# KiCad board oresat-batteries.kicad_pcb (continued)
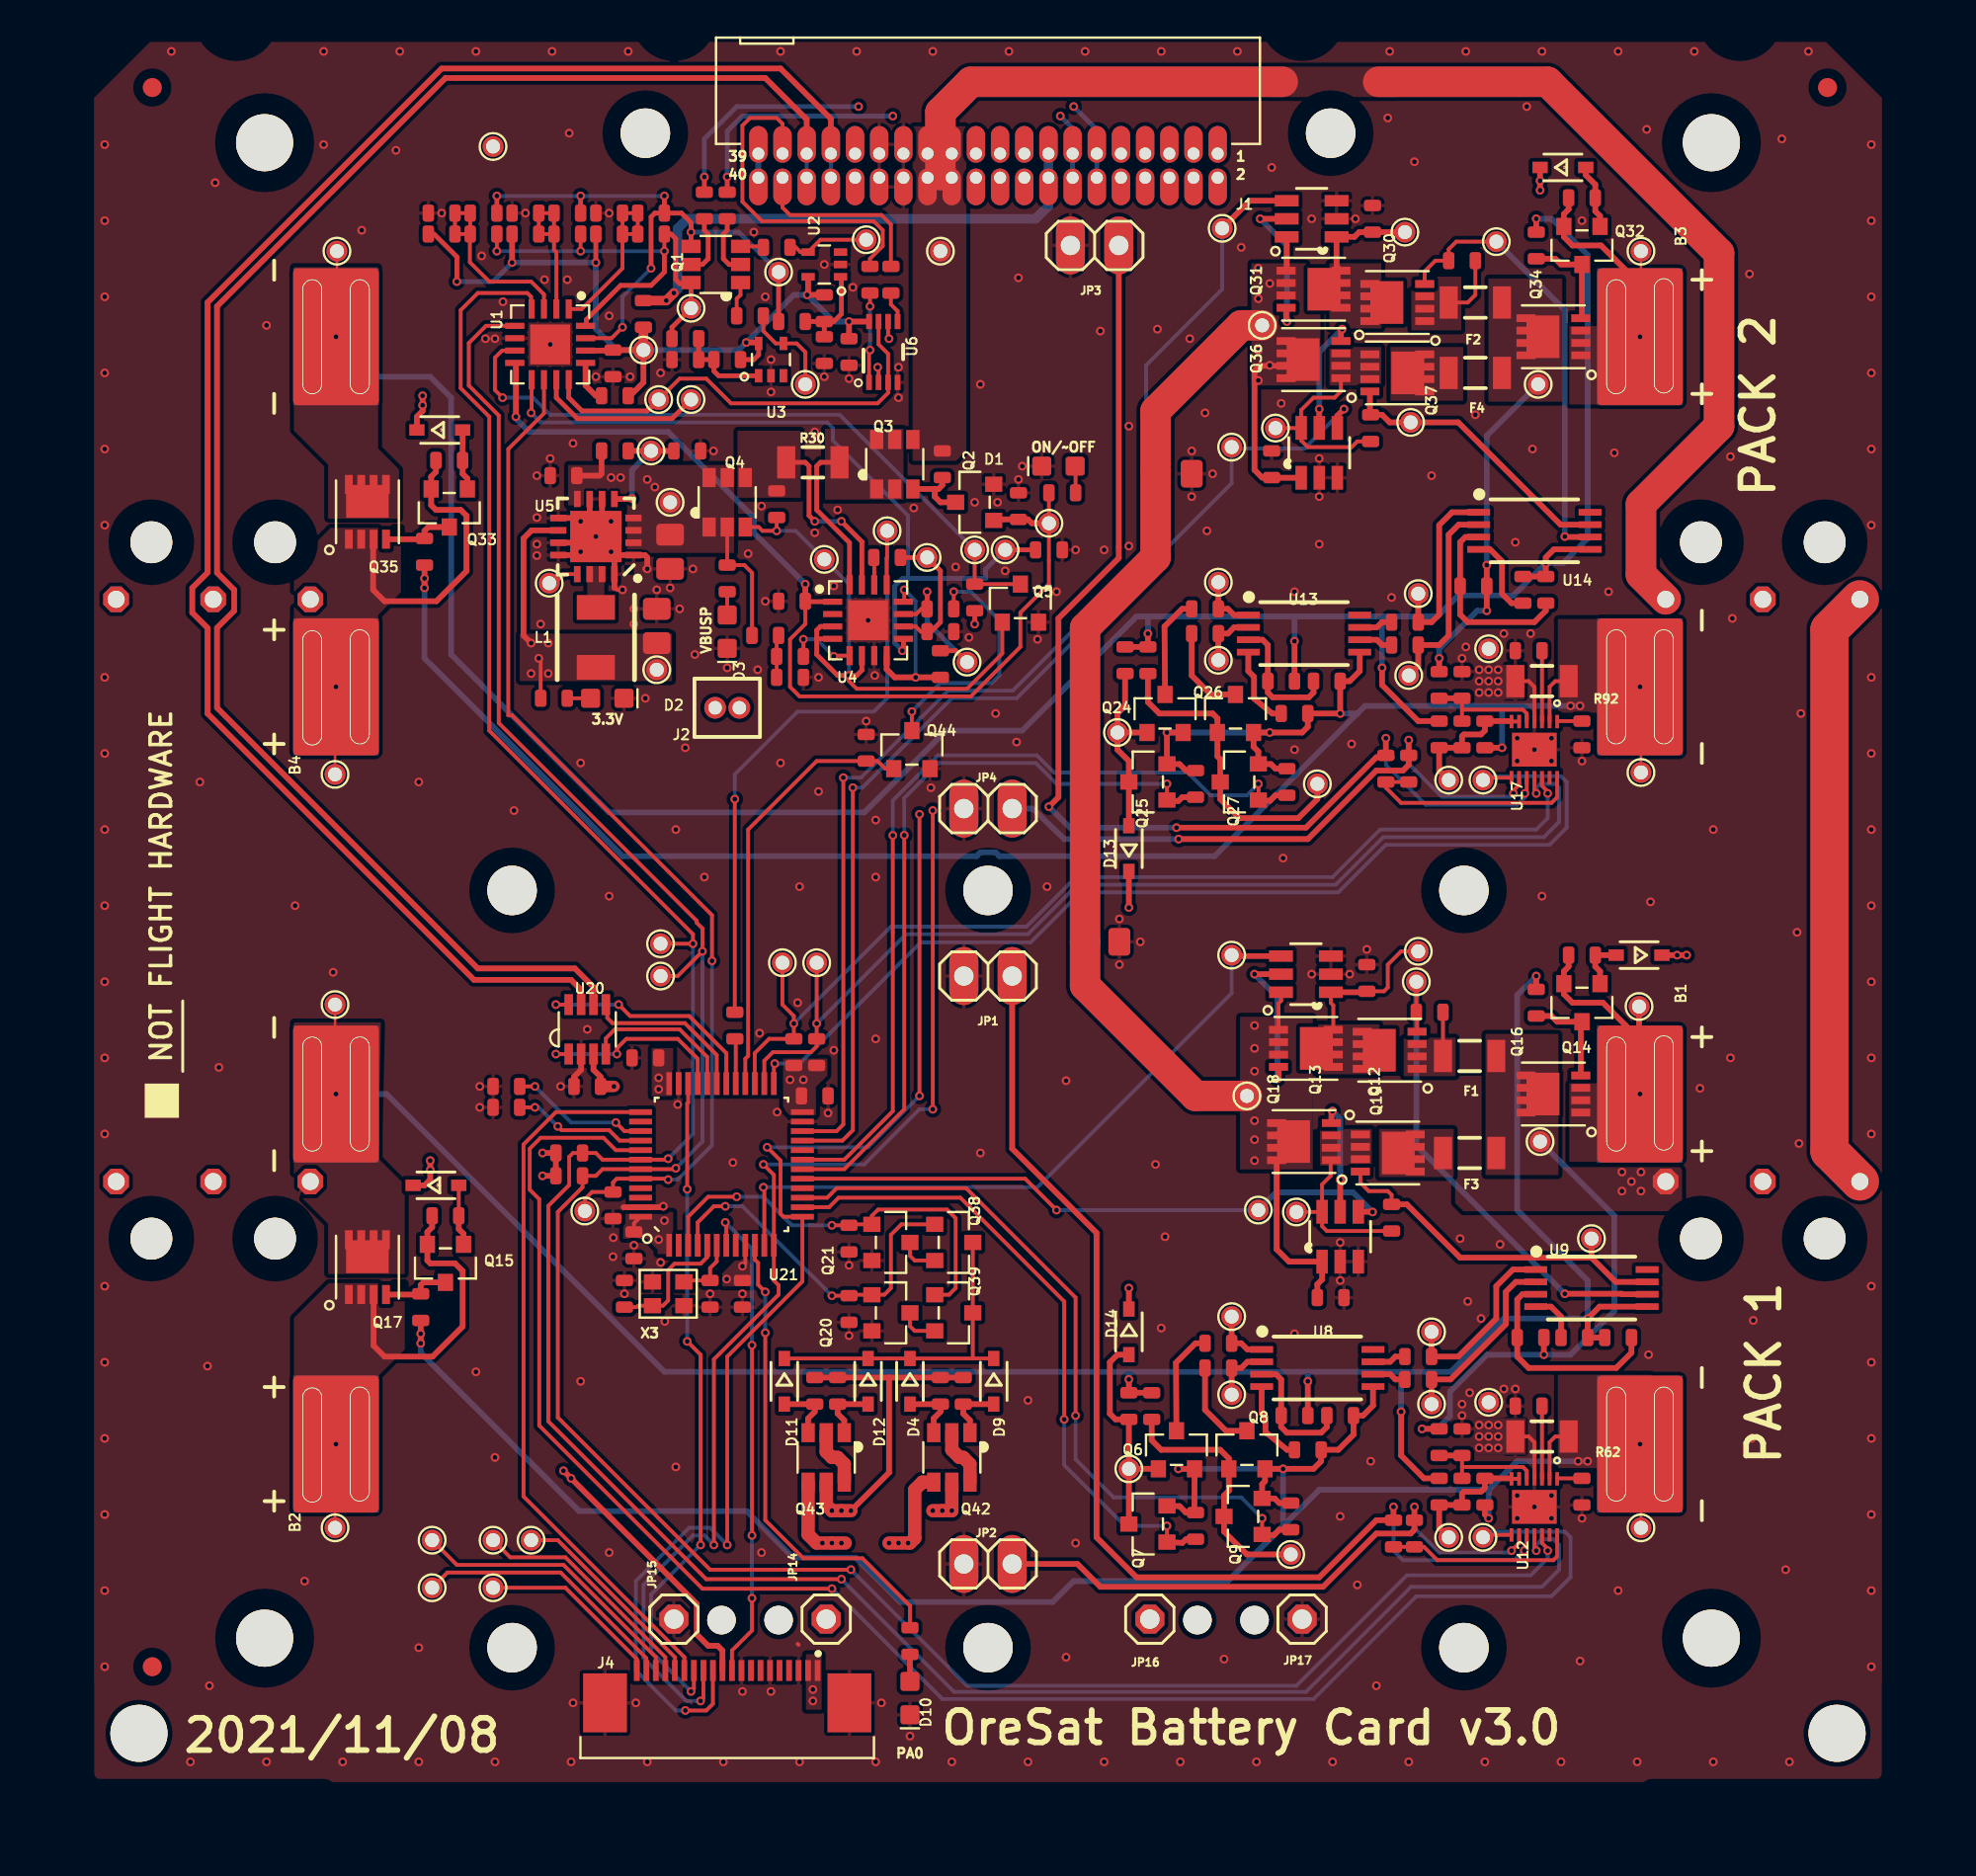
[diagram p0: board, top side]
## Routing (per net, layer and track width the routed paths; a pad name or vN(x,y) marks a point on that pad's centre or on a via; arc(x,y) is an arc through that point) (continued)
N$47: length 5.2
  Top w0.2: R13.1 38.1,79.2 38.75,78.55 U3.4 39.85,78.55 40.3,78.1 TP7.1
N$49: length 8.9
  Top w0.25: TP5.1 33.3,74.6 28.33,74.6 27.22,75.7 U1.11
N$50: length 2.7
  Top w0.3: Q14.1 82.05,45.55 81.8,45.8 R58.1 D5.A
N$51: length 12
  Top w0.3: TP27.1 Q6.1 ; TP27.1 R46.1 56.6,22 56.3,22.3 56.3,25 56.7,25.4 D14.A ; TP27.1 Q7.3
N$52: length 3.2
  Top w0.25: Q1.2 36.3,82.7 36,83 36,84.3 36.2,84.5 R6.2
N$53: length 20.2
  Top w0.127: 15.6,20.75 TP41.1
  Top w0.2: v1(15.65,20.7) 15.6,20.75
  Top w0.3: Q17.3 17.62,25.87 18.2,25.3 20.72,25.3 22.3,26.88 22.3,29.8 21.9,30.2 20.6,30.2 20.45,30.35 Q15.2 20.45,31.85 20.7,32.1 R59.1
N$54: length 7.3
  Top w0.2: v1(30.35,37.6) 30.8,37.15 U21.39 ; v1(26.1,39.5) R68.1
  Bottom w0.2: v1(26.1,39.5) 28,37.6 v1(30.35,37.6)
N$56: length 3.4
  Top w0.2: R56.2 75.5,81.1 75.1,80.7 F2.1
N$57: length 4.4
  Top w0.2: R12.1 39.8,83.6 40.05,83.35 U2.4 41.1,84 TP6.1
N$58: length 4.8
  Top w0.25: R21.1 C1.1 ; R21.1 R19.1 ; R21.1 41.8,79.7 42.2,80.1 42.2,82 U2.1
N$59: length 5
  Top w0.25: R20.1 C2.1 R22.1 35.5,77.1 35.75,76.85 U3.1
N$60: length 23.4
  Top w0.2: TP4.1 33.7,76.7 35.1,76.7 36.4,75.4 44.1,75.4 44.65,75.95 U6.3 44.65,78.01 44.15,78.51 U6.7
  Top w0.25: U1.12 27.88,75.7 28.57,75 32,75 TP4.1
N$62: length 3.2
  Top w0.3: D12.A R43.2 42,22.3 42.35,21.95 Q43.1
N$63: length 3.2
  Top w0.3: Q42.1 48.95,21.95 48.6,22.3 R40.2 D9.A
N$64: length 17.1
  Top w0.2: D11.C D12.C D4.C 49.1,25.2 ; 49.1,25.2 Q39.3 Q38.3 ; 49.1,25.2 D9.C
N$65: length 1.8
  Top w0.3: U13.6 70.32,62.97 70.6,62.7 R83.1
N$66: length 1.8
  Top w0.3: R82.1 70.6,63.9 70.32,63.62 U13.7
N$67: length 10.7
  Top w0.3: TP54.1 72.5,61.6 R83.2 73.6,62.7 74.1,63.2 74.1,68.5 74.62,69.02 U14.2
N$68: length 9.8
  Top w0.3: U14.1 74.28,69.67 73.6,69 73.6,64.3 73.2,63.9 R82.2 TP53.1
N$69: length 3.1
  Top w0.3: U13.1 62.82,64.27 62.5,64.6 R75.2 TP49.1
N$70: length 10.2
  Top w0.3: U14.3 74.97,68.37 74.7,68.1 R84.1 74.7,64.3 75.1,63.9 78.6,63.9 79.2,64.5 C28.1
N$71: length 6.8
  Top w0.3: C26.1 67,60.2 66.75,59.95 64.85,59.95 64.6,60.2 R81.1 64.6,62.7 64.32,62.97 U13.3
N$72: length 4.5
  Top w0.3: U14.4 76.28,67.72 76.9,67.1 76.9,65.4 77.4,64.9 C29.1
N$73: length 4.3
  Top w0.3: U13.4 63.57,61.32 63.88,61.02 63.88,59.89 64.83,59.1 C27.1
N$74: length 8.1
  Top w0.3: Q31.4 65.56,79.74 v1(65.6,79.7) ; v1(64.2,85.1) U15.5
  Bottom w0.3: v1(65.6,79.7) 65.6,83.7 v1(64.2,85.1)
N$77: length 16.5
  Top w0.3: TP52.1 67.2,54.6 66.2,53.6 63.1,53.6 62.1,54.6 Q27.3 62.1,56.7 61.95,56.85 Q26.1 61.95,58.85 61.7,59.1 58.9,59.1 58.3,59.7 R79.2
N$78: length 3.1
  Top w0.3: TP51.1 R78.2 62.5,63.3 62.82,63.62 U13.2
N$79: length 4.9
  Top w0.3: Q26.3 61.6,60.1 60.6,61.1 R78.1
N$80: length 6.3
  Top w0.3: U16.5 v1(67.3,75.1) ; Q36.4 68.44,79.24 v1(68.5,79.3)
  Bottom w0.3: v1(68.5,79.3) 67.3,78.1 v1(67.3,75.1)
N$82: length 11.6
  Top w0.127: TP62.1 84.2,78.95 v1(84.15,78.9)
  Top w0.3: 84.1,81.7 82.1,83.7 80.6,83.7 80.15,84.15 Q32.2 80.15,85.35 80.4,85.6 R88.2
N$83: length 3.8
  Top w0.3: Q33.3 20.5,68.9 20.3,68.7 R91.1 20.3,68.26 Q35.4
N$84: length 3.2
  Top w0.3: Q33.1 22.55,71.45 22.3,71.7 R89.2 D8.A
N$85: length 20.5
  Top w0.127: TP64.1 15.6,60.45 v1(15.65,60.5)
  Top w0.3: Q35.3 17.6,68.23 17.6,65.6 18.2,65 20.92,65 22.5,66.58 22.5,69.5 22.2,69.8 20.9,69.8 20.65,70.05 Q33.2 20.65,71.55 20.9,71.8 R89.1
N$86: length 5.4
  Top w0.3: R90.1 79.7,83 80,82.7 Q32.3 81.1,79.93 Q34.4
N$87: length 3.4
  Top w0.3: D7.A 81.3,87.4 81.8,86.9 R88.1 81.8,85.5 82.05,85.25 Q32.1
N$88: length 2.1
  Top w0.2: Q39.2 46.05,26.65 45.8,26.9 Q20.3
N$90: length 5.4
  Top w0.3: R75.1 60.1,64.6 59.17,63.67 Q24.3
N$91: length 10
  Top w0.3: TP50.1 56.7,59.1 57.1,59.5 R76.1 ; TP50.1 56.7,57.2 57.3,56.6 Q25.3 D13.A ; TP50.1 Q24.1
N$92: length 2.1
  Top w0.2: Q38.2 46.05,30.35 45.8,30.6 Q21.3
N$99: length 7.1
  Top w0.2: U21.40 30.55,36.65 30,37.2 27.5,37.2 v1(27.3,37.4) ; v1(26.1,38.4) R72.1
  Bottom w0.2: v1(27.3,37.4) 26.3,38.4 v1(26.1,38.4)
N$100: length 2.3
  Top w0.2: R74.1 F1.1
N$101: length 1.4
  Top w0.3: R111.1 D10.A
N$102: length 9.7
  Top w0.2: TP82.1 27.7,13.15 31.45,9.4 J4.20
N$103: length 14.1
  Top w0.2: TP81.1 21.5,13.95 27.45,13.95 31.95,9.45 J4.19
N$104: length 15
  Top w0.2: J4.18 32.45,9.5 27.6,14.35 22,14.35 TP80.1
N$105: length 12.3
  Top w0.2: TP79.1 24.8,14.75 27.7,14.75 32.95,9.5 J4.17
N$106: length 10.8
  Top w0.2: J4.16 33.45,9.5 27.3,15.65 TP83.1
N$109: length 8.8
  Top w0.2: R55.2 67.7,31.9 67.45,32.15 U11.6 67.45,34.35 67.9,34.8 67.9,35.58 Q18.1 ; TP44.1 67.44,32.9
  Top w0.3: 67.44,32.9 U11.6
NRESET: length 25.8
  Top w0.2: v1(36.1,32.35) 36.15,32.3 U21.7 ; v1(37.5,12.6) 37.5,10.9 36.45,9.85 J4.10 ; v1(37.5,25.9) v1(37.5,15.9)
  Bottom w0.2: v1(37.5,25.9) 37.5,25.9 37.5,30.95 v1(36.1,32.35) ; v1(37.5,15.9) v1(37.5,12.6)
ON/~{OFF}: length 54.5
  Top w0.2: U1.8 25.1,77.47 ; R23.2 TP8.1 53.1,65.9 51.6,64.4 51.6,62.6 49,60 40,60 39.5,60.5 39.5,63 40.3,63.8 C4.1
  Top w0.25: U4.1 40.32,64.97 C4.1
  Top w0.3: 25.1,77.47 v1(25.1,74.7) ; TP8.1 52.2,69.1 52,69.3 R24.2 50.4,69.3 Q2.1 ; v1(40.3,65.9) C4.1
  Bottom w0.3: v1(25.1,74.7) 25.1,74.6 25.8,73.9 33.1,73.9 37.6,69.4 37.6,68.6 v1(40.3,65.9)
OPD_PWR: length 28.5
  Top w0.5: v1(33.4,81.2) v1(33,80.8) R1.1
  Bottom w0.5: v1(33,80.8) v1(33.4,81.2) 33.59,81.39 33.59,84.59 34.1,85.1 52.4,85.1 53.07,85.77 J1.16 J1.15
OPD_SCL: length 24.5
  Top w0.25: R6.1 v1(36.2,87.3)
  In2.Cu w0.25: v1(53.7,90.5) v1(44.9,90.5)
  Bottom w0.25: v1(44.9,90.5) 37,90.5 36.2,89.7 v1(36.2,87.3) ; J1.14 J1.13 54.34,89.85 v1(53.7,90.5)
OPD_SDA: length 27.1
  Top w0.25: R7.1 v1(35,87.3)
  In2.Cu w0.25: v1(54.4,91) v1(43.1,91)
  Bottom w0.25: v1(43.1,91) 36.7,91 35,89.3 v1(35,87.3) ; J1.12 J1.11 55.62,89.78 v1(54.4,91)
PA0: length 25.3
  Top w0.2: U21.10 37.65,30.4 37.82,30.23 37.82,29.08 v1(38.2,28.7) ; R111.2 45.8,12.2 43.3,14.7 40.2,14.7 38.2,16.7 v1(38.2,26.55)
  Bottom w0.2: v1(38.2,28.7) v1(38.2,26.55)
PA2/USART2_TX: length 91.3
  Top w0.2: v1(47,38.3) v1(47,54) ; U6.6 44.65,78.85 v1(44.7,78.8) ; v1(34.8,7.2) 34.95,7.35 J4.13 ; v1(35.5,15.4) 35.5,25.16 38.9,28.56 38.9,29.05 38.65,29.3 U21.12 38.65,34.85 v1(38.1,35.4)
  In2.Cu w0.2: v1(47,54) 47,54.5 47.5,55 47.5,57.94 50.23,60.66 50.23,64.34 49,65.56 49,66.7 48,67.7 48,69.3 46.5,70.8 46.5,77 v1(44.7,78.8)
  Bottom w0.2: v1(34.8,7.2) 34.06,7.2 31.8,9.46 31.8,13.3 34.4,15.9 35,15.9 v1(35.5,15.4) ; v1(47,38.3) 46.3,38.3 43.4,35.4 v1(38.1,35.4)
PA3/USART2_RX: length 94.7
  Top w0.2: U6.2 44.15,77.25 44.1,77.3 v1(44.11,77.3) ; v1(46.3,39) v1(46.3,53.8) ; v1(36.2,15.4) 36.2,25.3 40.15,29.25 U21.13 39.15,32.65 39,32.8 39,35.6 v1(38.3,36.3) ; v1(34,6.7) 35.1,6.7 35.45,7.05 J4.12
  In2.Cu w0.2: v1(44.11,77.3) 44.4,77.3 46.1,75.6 46.1,70.64 47.6,69.14 47.6,65.1 48.3,64.4 49.5,64.4 49.8,64.1 49.8,60.9 46.3,57.4 v1(46.3,53.8)
  Bottom w0.2: v1(34,6.7) 33.5,6.7 31.4,8.8 31.4,13.5 34.2,16.3 35.3,16.3 v1(36.2,15.4) ; v1(38.3,36.3) 43.6,36.3 v1(46.3,39)
PA8/POUTPROT: length 2.4
  Top w0.2: R112.2 36.65,41.95 U21.29
PA9/CAN_SILENT: length 12.3
  Top w0.2: v1(30.5,43.8) 31.1,43.2 34.2,43.2 36.15,41.25 U21.30 ; v1(27.2,43.8) U20.8
  Bottom w0.2: v1(30.5,43.8) v1(27.2,43.8)
PB6/SCL: length 142.1
  Top w0.2: U1.4 25.9,80.36 25.9,81 25.7,81.2 23.1,81.2 22.2,80.3 22.2,76.2 23.7,74.7 23.7,58.2 34.4,47.5 v1(34.4,47) TP21.1 ; v1(33.1,35.7) 33.05,35.65 U21.42 29.65,35.65 29.3,36 R113.1 28.1,36 27.9,35.8 27.9,34.32 26.8,33.22 26.8,21.9 35.1,13.6 v1(42.2,13.6) ; v1(78.7,15.1) 78.6,15.2 U12.11
  Bottom w0.2: v1(42.2,13.6) 48.13,7.67 66.6,7.67 72.13,13.2 79,13.2 79.9,14.1 79.9,15.4 79.6,15.7 79,15.7 78.7,15.4 v1(78.7,15.1) ; v1(34.4,47) 34.4,37 v1(33.1,35.7)
PB7/SDA: length 134.8
  Top w0.2: U1.5 23.53,79.47 22.63,78.57 22.63,76.34 24.2,74.76 24.2,58.6 34.6,48.2 34.6,48.1 34.9,47.8 v1(34.9,46.6) 33.6,45.3 TP22.1 ; v1(79.3,15.1) 79.3,15.2 79,15.5 U12.12 ; v1(33.5,35.2) 33.45,35.15 U21.43 29.65,35.15 29.3,34.8 R114.1 28.6,34.2 27.3,32.9 27.3,22.1 35.3,14.1 v1(42.7,14.1)
  Bottom w0.2: v1(42.7,14.1) 48.8,8 66.1,8 71.9,13.8 78.4,13.8 79.3,14.7 v1(79.3,15.1) ; v1(33.5,35.2) 34.9,36.6 v1(34.9,46.6)
PEN-SCL-FILT: length 31.8
  Top w0.2: U1.15 30.12,78.82 v1(30.7,79.4)
  Top w0.25: Q1.4 v1(34.3,84.4) 34.3,84.68 34.3,84.68 34.3,84.9 33.8,85.4 R14.1 ; R8.1 v1(28.5,86.3) ; R14.1 v1(32.9,86.3) ; R14.1 32.4,85.4 32.2,85.2 v1(32.2,82.5) ; R19.2 TP2.1 ; R2.1 v1(24.1,86.3)
  Bottom w0.2: v1(32.2,82.5) 30.7,81 v1(30.7,79.4) ; v1(32.9,86.3) v1(28.5,86.3) v1(24.1,86.3)
  Bottom w0.25: v1(34.3,84.4) 36.8,84.4 TP2.1
PEN-SDA-FILT: length 25.2
  Top w0.2: v1(32.9,83.4) R16.2 ; R4.2 v1(24.1,83.4) ; v1(28.5,83.4) R10.2
  Top w0.25: 34.3,81.7 TP3.1 33.3,79.4 R20.2 ; 34.3,81.7 33.7,81.7 33.5,81.9 33.5,84.05 33.25,84.3 R16.2 ; 34.3,81.7 Q1.6 ; v1(32.9,83.4) 32.9,82.3 32.2,81.6 30.6,81.6 28.8,79.8 28.8,79.52 U1.16
  Bottom w0.2: v1(24.1,83.4) v1(28.5,83.4) v1(32.9,83.4)
POUT: length 33.8
  Top w0.2: U4.13 44.57,67.27 44.6,67.3 TP11.1 ; R112.1 v1(36.6,54.6)
  Bottom w0.2: v1(36.6,54.6) 36.6,55.9 39.9,59.2 43.9,59.2 44.6,59.9 TP11.1
REG2-PK1: length 3.8
  Top w0.2: C25.1 U12.3
REG2-PK2: length 3.7
  Top w0.2: C36.1 U17.3
REG3-PK1: length 1.3
  Top w0.2: C24.1 79.82,18.9 U12.1
REG3-PK2: length 1.3
  Top w0.2: U17.1 79.82,58.7 C35.1
SWCLK: length 38
  Top w0.2: J4.15 33.95,9.5 25.5,17.95 25.5,36.45 27.2,38.15 U21.37
SWDIO: length 35.4
  Top w0.2: v1(34.8,15.4) 34.8,25.4 v1(34.1,26.1) ; U21.34 34.15,38.65 34.1,38.6 v1(34.1,34.1) ; J4.14 34.45,7.85 v1(34.3,7.7)
  Bottom w0.2: v1(34.3,7.7) 32.2,9.8 32.2,12.8 v1(34.8,15.4) ; v1(34.1,34.1) v1(34.1,26.1)
THRM-PK1: length 10.1
  Top w0.2: R71.2 R73.2 72.8,15.3 73.5,14.6 79.6,14.6 79.8,14.8 U12.14
THRM-PK2: length 12
  Top w0.2: U17.14 79.8,54.7 79.5,54.4 71.6,54.4 70.8,55.2 R101.2 R103.2
TPS62111-PG1: length 1.7
  Top w0.2: U5.13 27.62,66.42 27.15,65.95 TP12.1
TPS62111-SYNC1: length 6.2
  Top w0.2: 31.18,70.37 v1(31.2,70.4)
  Top w0.3: U5.5 31.18,70.37 ; R29.2 TP10.1 R28.1
  Bottom w0.3: v1(31.2,70.4) 31.2,71.9 TP10.1
VPD: length 85.8
  Top w0.2: R3.2 20.8,84.3
  Top w0.25: 30.18,78.17 C3.2 ; R22.2 37.6,77.7 37.85,77.95 U3.5 37.8,78.6 ; v1(29.3,82.8) R15.2 ; 40.45,81.15 v1(40.4,81.1) ; v1(49.2,63.8) R38.2 ; v1(22,81.8) 22,83.1 20.8,84.3
  Top w0.3: C3.2 TP1.1 31.8,76.5 31.1,75.8 R18.2 ; 37.8,78.6 v1(37.2,78.6) ; R21.2 v1(40.4,81.1) ; C9.2 v1(42.6,79.7) U6.8 ; U1.14 30.18,78.17 ; R9.2 v1(24.9,82.8) ; U2.5 40.45,81.15
  Top w0.5: R1.2 TP1.1
  In2.Cu w0.5: 42.91,65.89 41.01,64 37.7,64 36.84,63.13 J2.2 ; 42.91,65.89 42.91,73.65 41.26,75.3 36.6,75.3 33.7,78.2 TP1.1 ; 42.91,65.89 45,63.8 v1(49.2,63.8)
  Bottom w0.25: v1(24.9,82.8) 23.9,81.8 v1(22,81.8)
  Bottom w0.3: v1(42.6,79.7) 41.8,79.7 v1(40.4,81.1) 39.7,81.1 v1(37.2,78.6) 36.8,78.2 TP1.1 30.4,78.2 29.3,79.3 v1(29.3,82.8) v1(24.9,82.8)
~{CHARGE-PK1}: length 19.1
  Top w0.2: Q19.4 69.46,34.44 69.9,34 70.9,34 71.1,33.8 R55.1
  Top w0.3: R55.1 71.9,33.3 74.7,30.5 81.6,30.5 ; 81.6,30.5 TP33.1 ; 81.6,30.5 82.88,29.22 U9.7
~{CHARGE-PK2}: length 15.2
  Top w0.3: U14.7 79.97,69.02 74.6,74.4 TP56.1 71,74.4 70.6,74.8 R97.1 69.96,74.84 Q37.4
~{DISCHARGE-PK1}: length 26.6
  Top w0.2: Q12.4 72.44,43.36 R74.2 TP32.1
  Top w0.3: U9.6 83.22,28.57 83.2,28.6 v1(80.2,28.6)
  Bottom w0.3: v1(80.2,28.6) 72.4,36.4 TP32.1
~{DISCHARGE-PK2}: length 23.7
  Top w0.2: TP55.1 74.5,83.9 74.1,83.5 R56.1 73.4,82.9 72.84,82.34 Q30.4
  Top w0.3: U14.6 80.22,68.37 v1(80.2,68.4)
  Bottom w0.3: TP55.1 80.2,80.3 v1(80.2,68.4)
~{FAULT}: length 35.8
  Top w0.2: v1(24.4,75.7) 24,76.1 24,77.8 24.38,78.17 U1.7 ; Q5.3 R38.1 TP17.1
  Bottom w0.2: TP17.1 42.1,74.8 26.9,74.8 26,75.7 v1(24.4,75.7)
~{SD}: length 303.8
  Top w0.3: D8.C 19.9,74.7 20.2,75 v1(20.2,75.8) ; v1(20.6,35.6) v1(20.6,35.1) 20.6,34.6 20.3,34.3 D6.C ; D5.C v1(86.1,46.4) v1(86.6,46.4) ; v1(78.9,86.6) v1(78.9,87.1) D7.C ; D14.C v1(57.3,28.9) ; v1(57.3,48.9) D13.C
  In2.Cu w0.3: 20.6,36.2 20.6,44.3 9.2,55.7 9.2,63.4 10.3,64.5 10.3,65.1 ; 20.6,36.2 19.11,36.2 16.61,33.7 16.2,33.3 13.7,33.3 12.5,34.5 SW2.NO ; 20.6,36.2 v1(20.6,35.1) ; v1(20.2,75.3) v1(20.2,75.8) 20.2,87.4 ; 10.3,65.1 SW1.NO ; 10.3,65.1 10.3,65.6 9.2,66.7 9.2,79.8 16.8,87.4 20.2,87.4 ; v1(78.9,86.6) v1(78.9,87.1) 78.9,92.3 ; J1.39 J1.40 ; J1.39 37.84,89.93 40.2,92.3 78.9,92.3 ; J1.39 35.23,88.53 34.1,87.4 24,87.4 ; 87.9,46.4 87.9,34.8 85.9,32.8 74.4,32.8 69,27.4 66.1,27.4 64.6,28.9 v1(57.3,28.9) ; 87.9,46.4 88.5,46.4 90.9,48.8 90.9,63.1 92.1,64.3 92.1,65.7 90.9,66.9 90.9,82.5 81.1,92.3 78.9,92.3 ; 87.9,46.4 v1(86.1,46.4) 74.4,46.4 71.9,48.9 v1(57.3,48.9) ; 24,87.4 23.9,87.5 TP57.1 ; 24,87.4 20.2,87.4
  Bottom w0.3: J1.39 J1.40

## Copper pours and planes (outline as drawn; the poured copper is in the pictures)
3.3V on Top: 33.36,30.69 32.54,30.69 32.54,30.92 31.97,31.49 30.74,31.49 30.74,32.91 33.36,32.91
3.3V on Top: 33.36,38.99 32.24,38.99 32.24,41.51 33.36,41.51
3.3V on Top: 41.46,40.07 40.86,39.47 40.86,37.99 39.47,37.99 39.14,38.32 39.14,40.96 41.46,40.96
3.3V on Top: 37.56,28.99 35.94,28.99 35.94,29.68 36.67,30.41 37.56,30.41
3.3V on Top: 33.3,60.8 25.3,60.8 25.3,63.3 33.3,63.3
3.3V on In2.Cu: 43.16,63.33 43.16,19.47 42.13,18.44 23.87,18.44 22.84,19.47 22.84,63.33 23.87,64.36 42.13,64.36
GND on Top: 78.06,59.84 75.54,59.84 75.54,61.66 78.06,61.66
GND on Top: 96.86,2.94 2.94,2.94 2.94,94.66 96.86,94.66
GND on Top: 78.16,20.14 75.54,20.14 75.54,22.06 78.16,22.06
GND on Bottom: 96.86,2.94 2.94,2.94 2.94,94.66 96.86,94.66
GND on In1.Cu: 46.16,85.88 43.54,85.88 43.54,89.96 46.16,89.96
GND on In1.Cu: 96.86,2.94 2.94,2.94 2.94,94.66 96.86,94.66
GND on In2.Cu: 96.86,2.94 2.94,2.94 2.94,94.66 96.86,94.66
VBAT on Top: 67.36,76.34 63.74,76.34 63.74,82.76 67.36,82.76
VBAT on Top: 76.16,35.26 86.23,35.26 86.36,35.13 86.36,32.94 74.87,32.94 74.44,33.37 74.44,37.24 64.44,37.24 64.44,40.06 76.16,40.06
VBAT on Top: 66.96,35.14 63.14,35.14 63.14,43.16 66.96,43.16
VBAT on In2.Cu: 64.76,35.14 63.14,35.14 63.14,43.16 64.76,43.16
VBAT on In2.Cu: 65.36,76.34 63.74,76.34 63.74,82.76 65.36,82.76
VBATT-F-PK1 on Top: 70.46,40.14 67.24,40.14 67.24,42.76 70.46,42.76
VBATT-F-PK2 on Top: 70.56,79.34 67.84,79.34 67.84,82.76 70.56,82.76
VBATT-PK1 on Top: 79.86,34.84 76.04,34.84 76.04,42.26 79.86,42.26
VBATT-PK2 on Top: 80.06,75.49 76.19,75.49 76.19,81.96 80.06,81.96
VBUS on Top: 48.76,72.91 48.23,72.38 45.94,72.38 45.94,89.96 48.76,89.96
VBUS on Top: 71.4,91.5 64.7,91.5 64.7,93.1 71.4,93.1
VBUS on Bottom: 48.76,85.88 45.94,85.88 45.94,89.96 48.76,89.96
VBUS on Bottom: 71.4,91.5 64.7,91.5 64.7,93.1 71.4,93.1
VBUSP on Top: 36.56,67.54 30.94,67.54 30.94,70.04 27.84,70.04 27.84,72.16 36.56,72.16
VBUSP on Top: 41.16,6.74 40.34,6.74 40.34,9.66 41.16,9.66
CSP-PK1 on Top: 84.76,24.34 84.76,19.44 79.84,19.44 79.84,24.36
CSP-PK2 on Top: 84.76,64.06 84.76,59.14 79.84,59.14 79.84,64.07
INTERCELL-PK1 on Top: 17.86,35.73 19.26,34.33 19.26,29.64 15.24,29.64 15.24,32.27 13.44,34.07 13.44,42.86 18.02,42.86
INTERCELL-PK2 on Top: 17.86,73.03 18.96,71.93 18.96,69.34 15.24,69.34 15.24,72.17 13.44,73.97 13.44,82.56 17.86,82.56
N$9 on Top: 74.86,75.54 71.04,75.54 71.04,78.36 74.86,78.36
N$22 on Top: 70.56,76.34 67.84,76.34 67.84,78.36 70.56,78.36
N$24 on Top: 45.46,70.34 41.34,70.34 41.34,74.06 45.46,74.06
N$38 on Top: 40.06,70.44 36.74,70.44 36.74,73.96 40.06,73.96
N$42 on Top: 84.66,35.54 80.44,35.54 80.44,39.66 84.66,39.66
N$48 on Top: 74.36,34.74 70.44,34.74 70.44,37.26 74.36,37.26
N$53 on Top: 19.26,25.67 17.86,24.27 17.86,17.24 13.57,17.24 13.44,17.37 13.44,27.33 15.27,29.16 19.26,29.16
N$56 on Top: 74.76,79.24 72.14,79.24 72.14,82.06 74.76,82.06
N$82 on Top: 84.96,75.34 80.44,75.34 80.44,79.46 82.24,79.46 82.24,82.46 84.96,82.46
N$85 on Top: 19.06,65.47 17.86,64.27 17.86,57.04 13.44,57.04 13.44,66.93 15.37,68.86 19.06,68.86
N$100 on Top: 74.46,40.04 71.74,40.04 71.74,42.06 74.46,42.06
N$109 on Top: 70.06,35.34 67.34,35.34 67.34,37.26 70.06,37.26
TPS62111_SW1 on Top: 29.75,64.35 28.85,64.35 28.85,66.85 29.75,66.85

## Text on the board
F.Silkscreen: 3.3V | PA0 | ON/~OFF | VBUSP | 2021/11/08 | OreSat Battery Card v3.0 | PACK 2 | PACK 1
